# Altium PCB PCBV2.PcbDoc (part 1 of 2)
Units mm, origin at the board's own origin, x right, y up, seen from the top; angles counter-clockwise.
Board outline 46.9 x 40.12 mm, 4 copper layers (Top Layer, GND, GND_2, Bottom Layer), stack 1.556 mm thick; 71 components, 71 nets, 293 pads, 434 vias.
Unrouted connection lines stored in the file: 14.
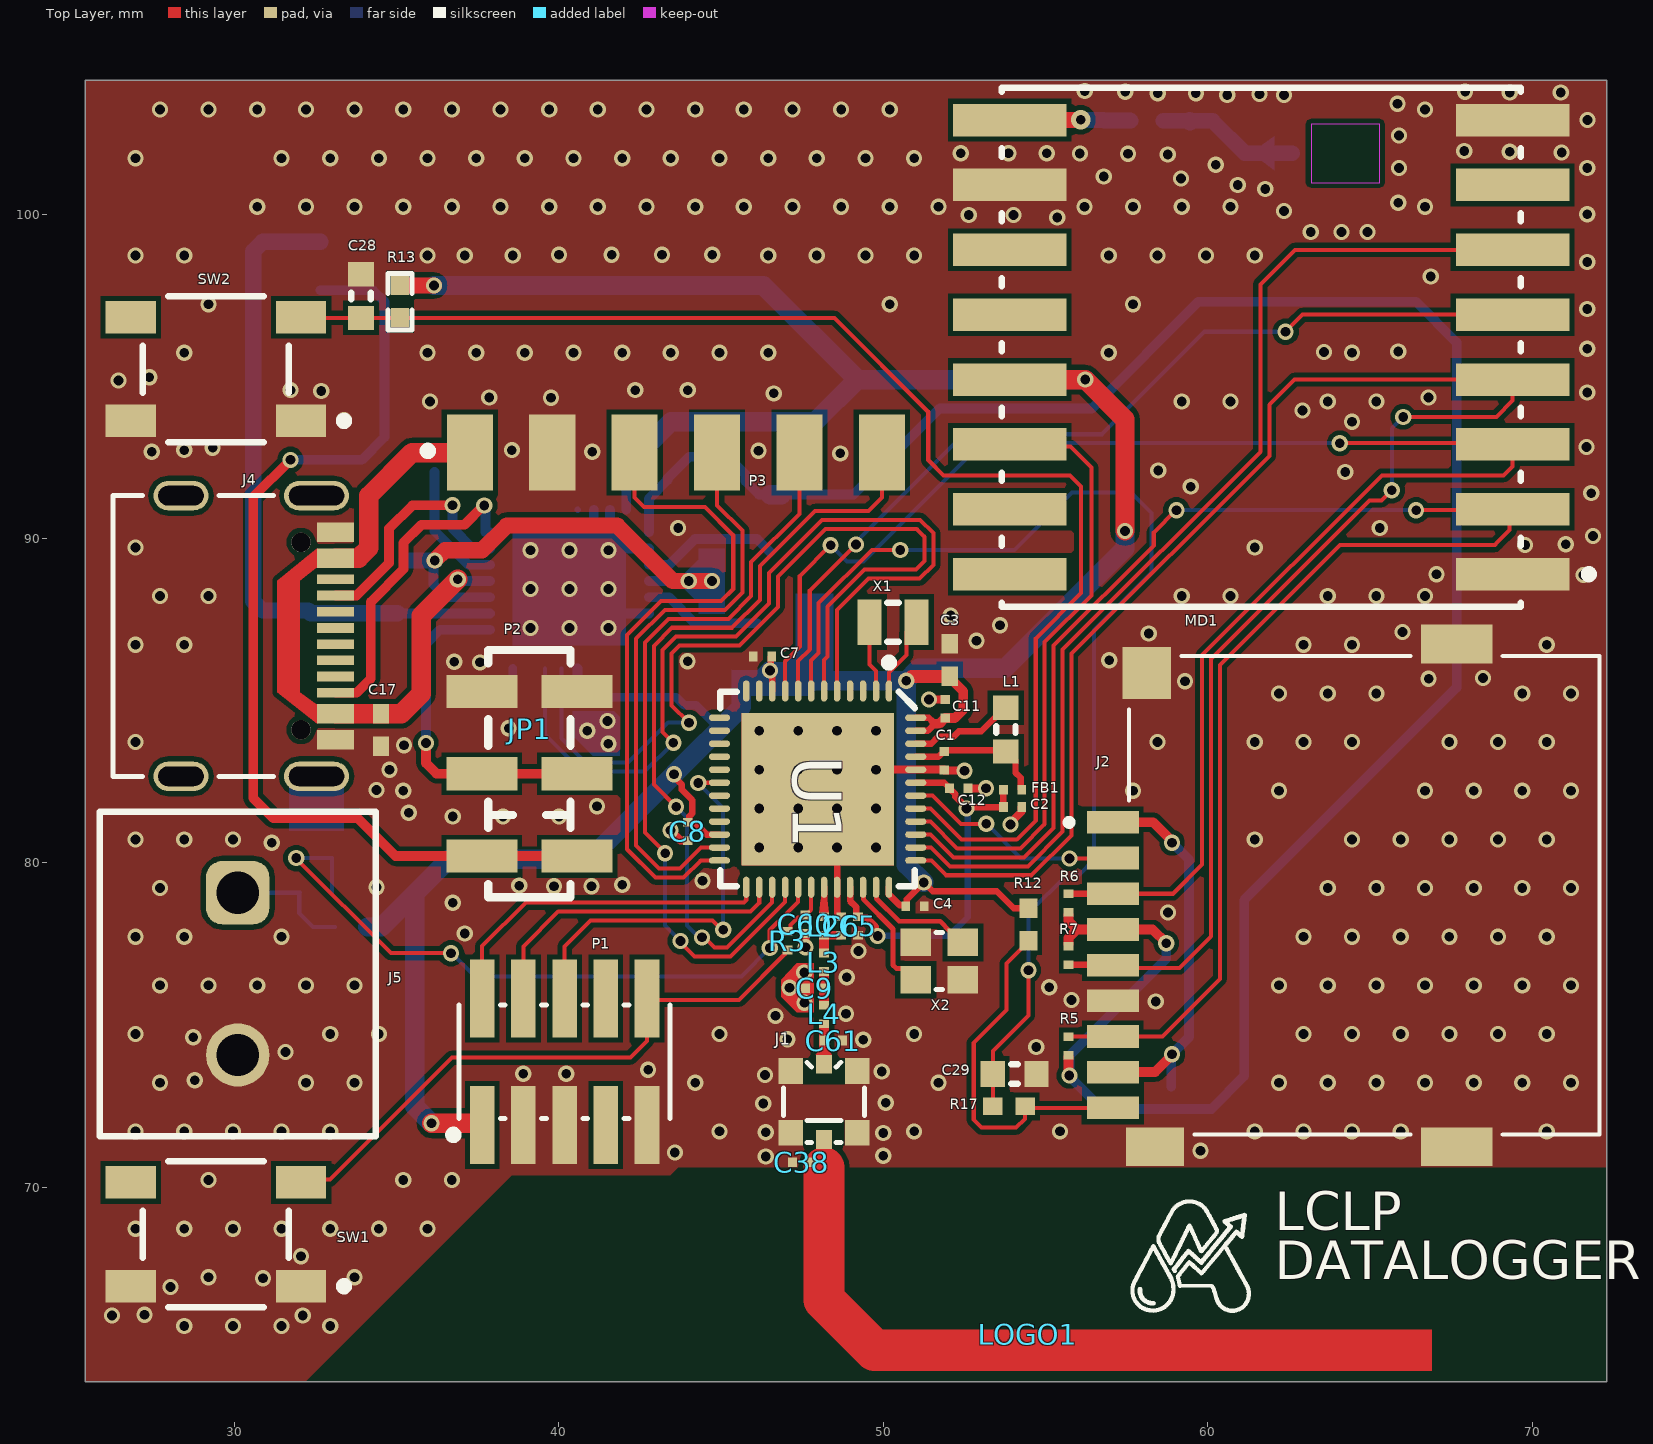
[diagram p0: Top Layer view]
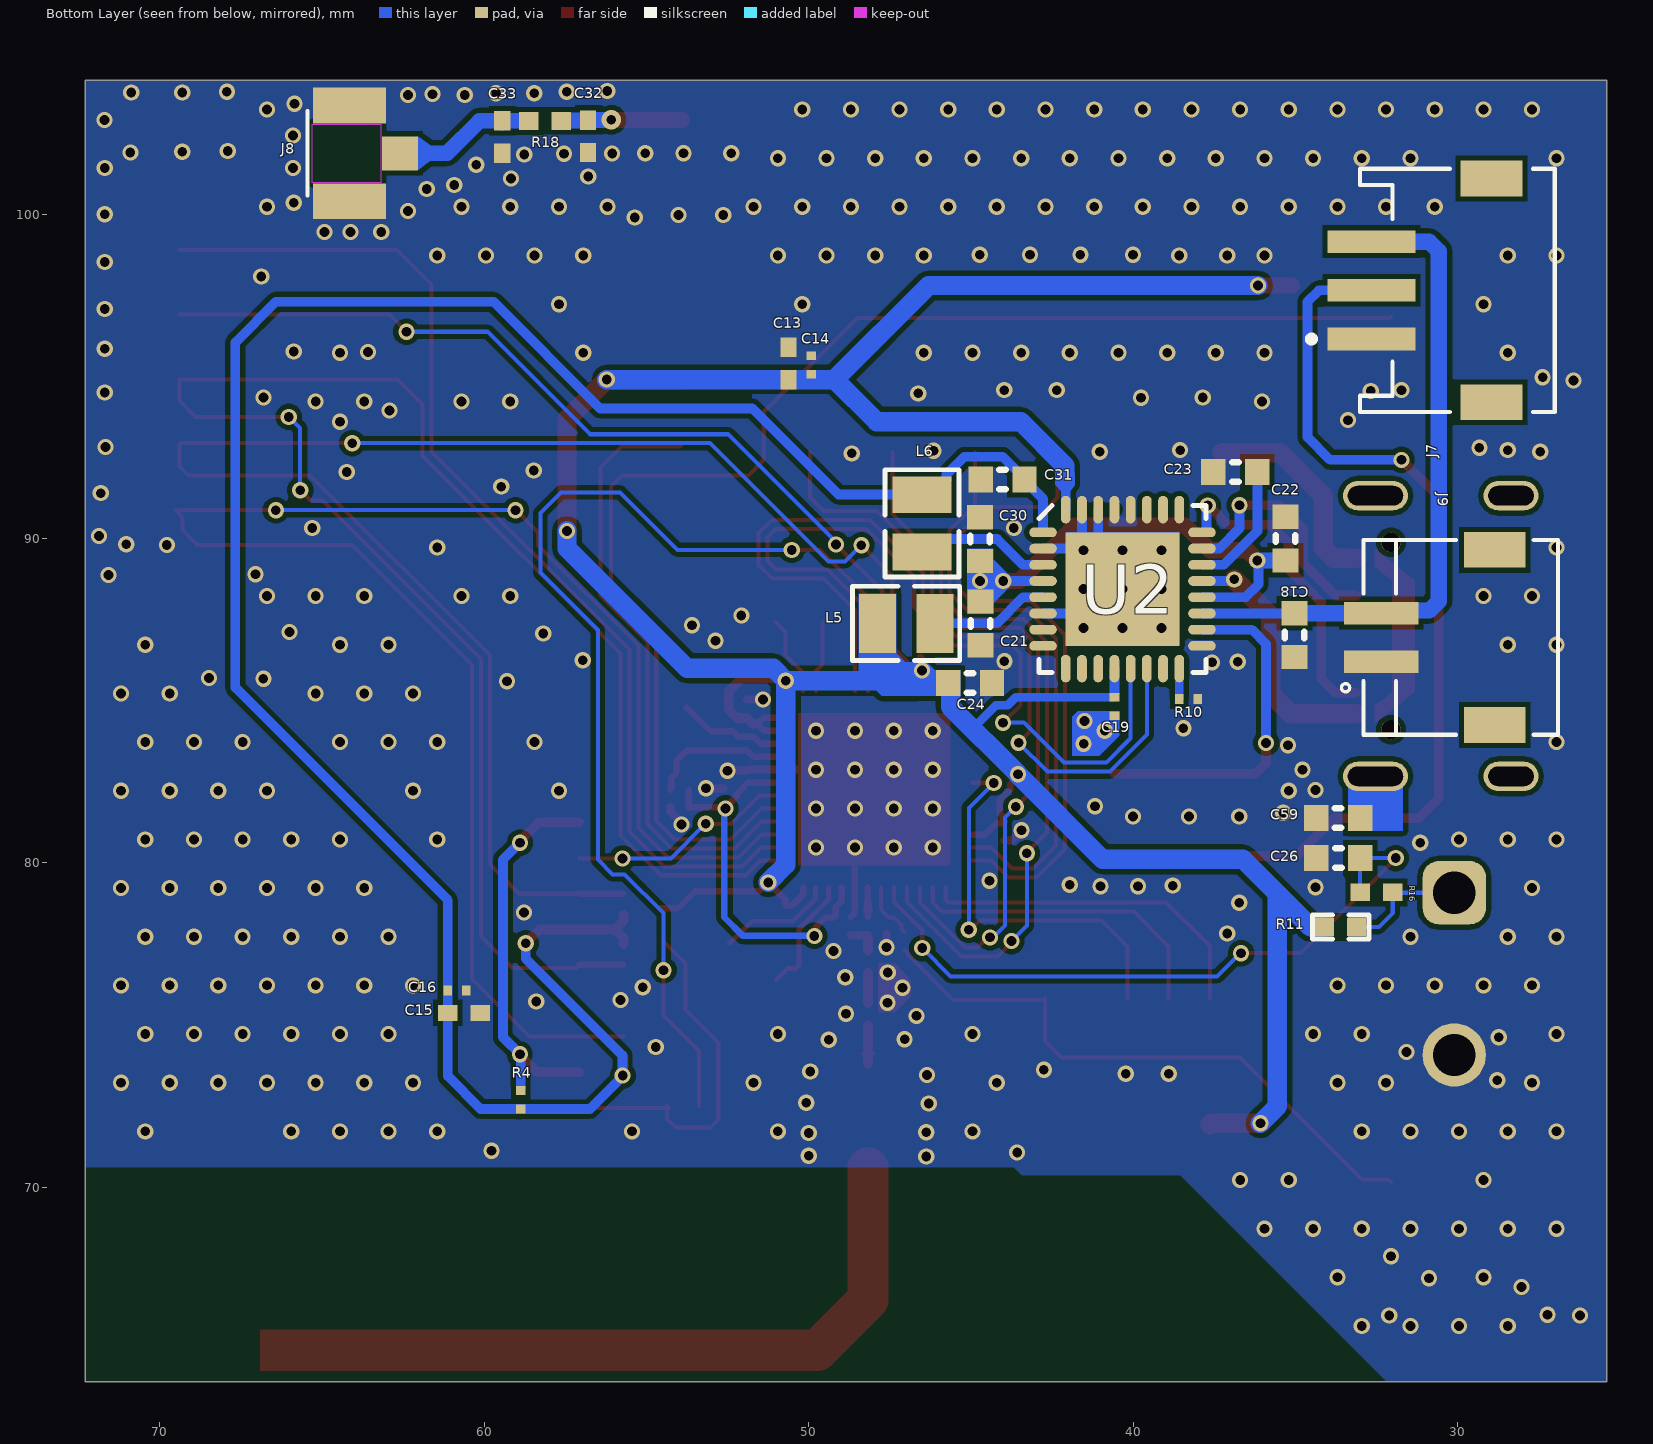
[diagram p1: Bottom Layer view, seen from below]
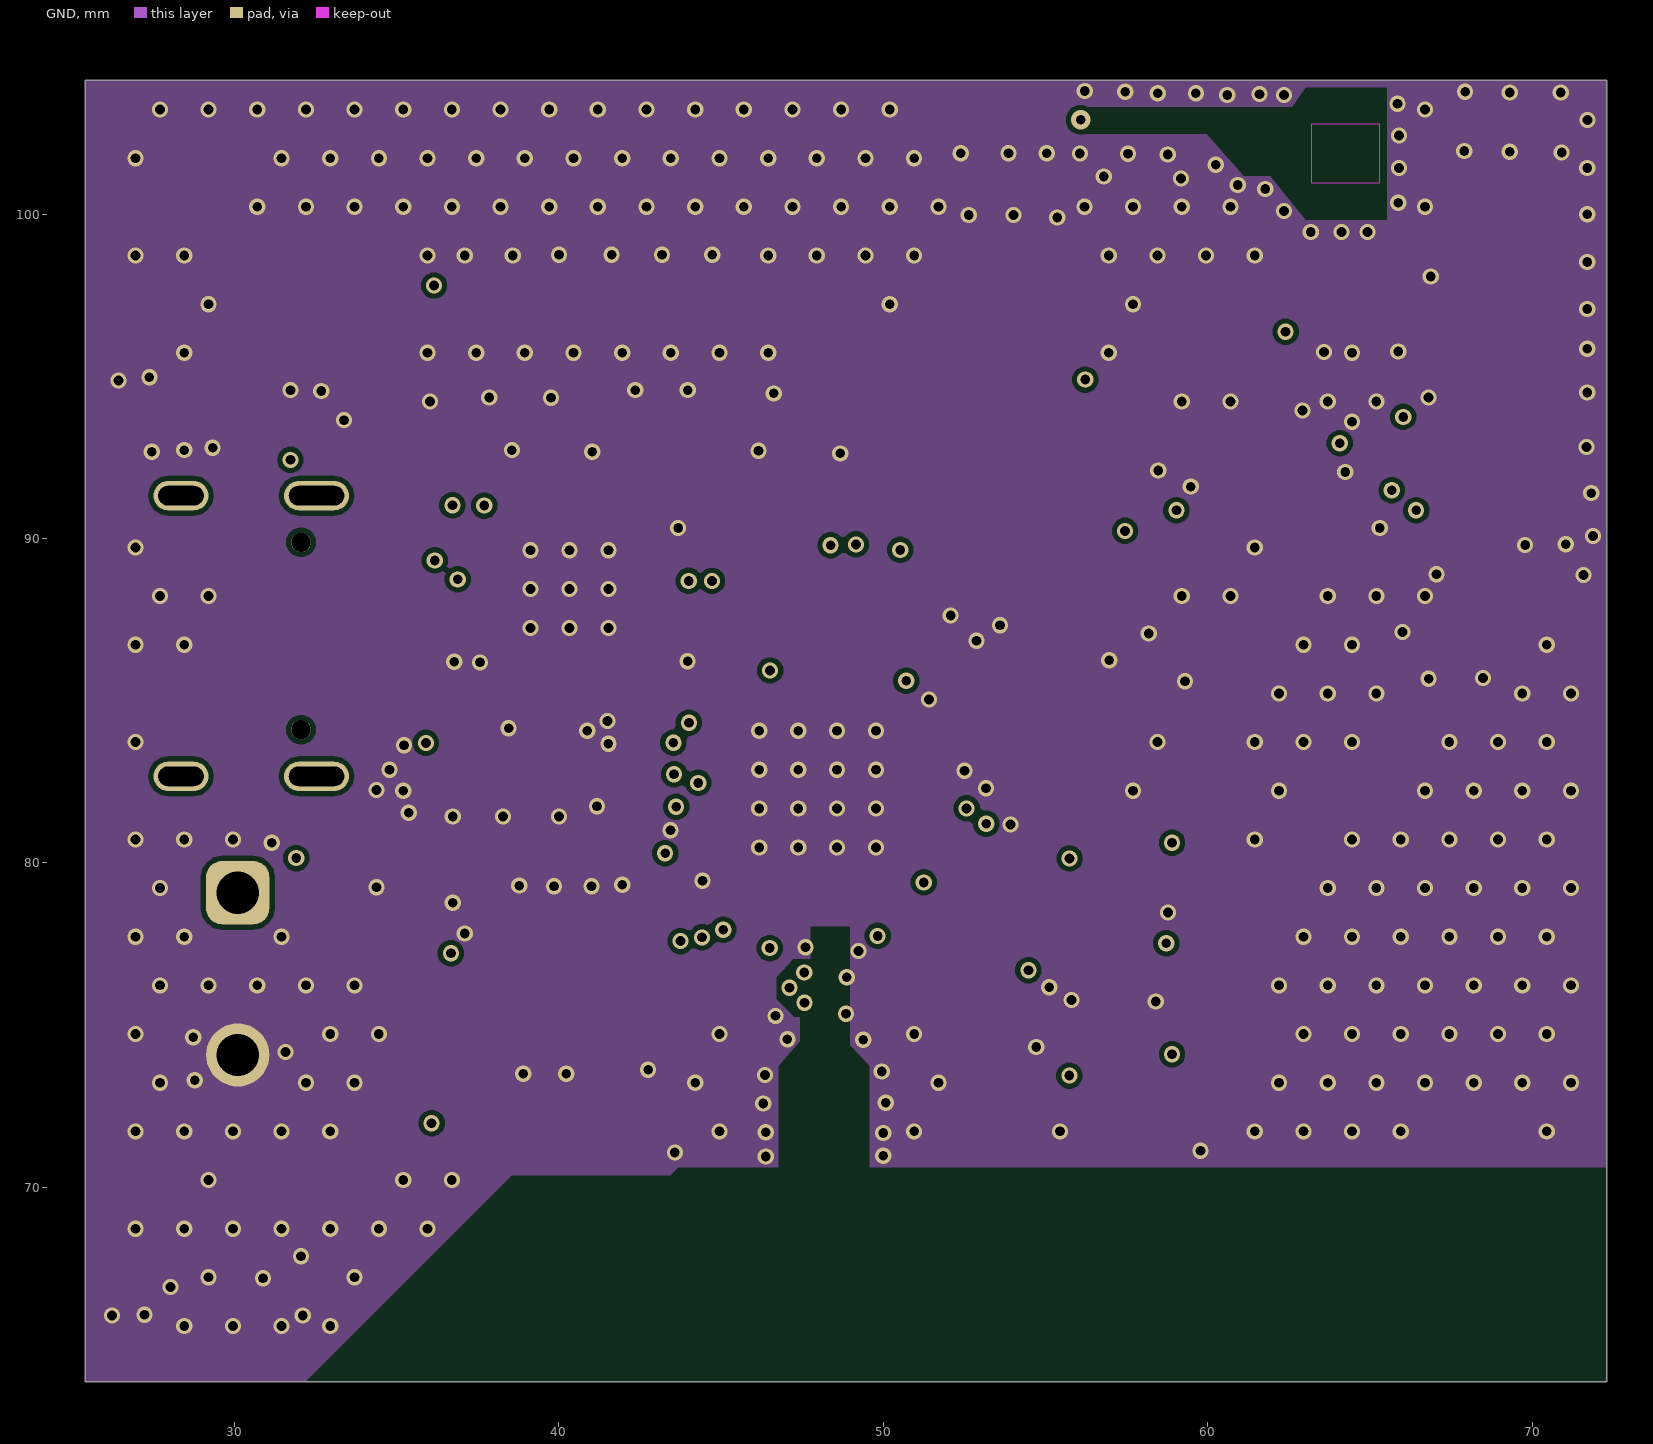
[diagram p2: GND]
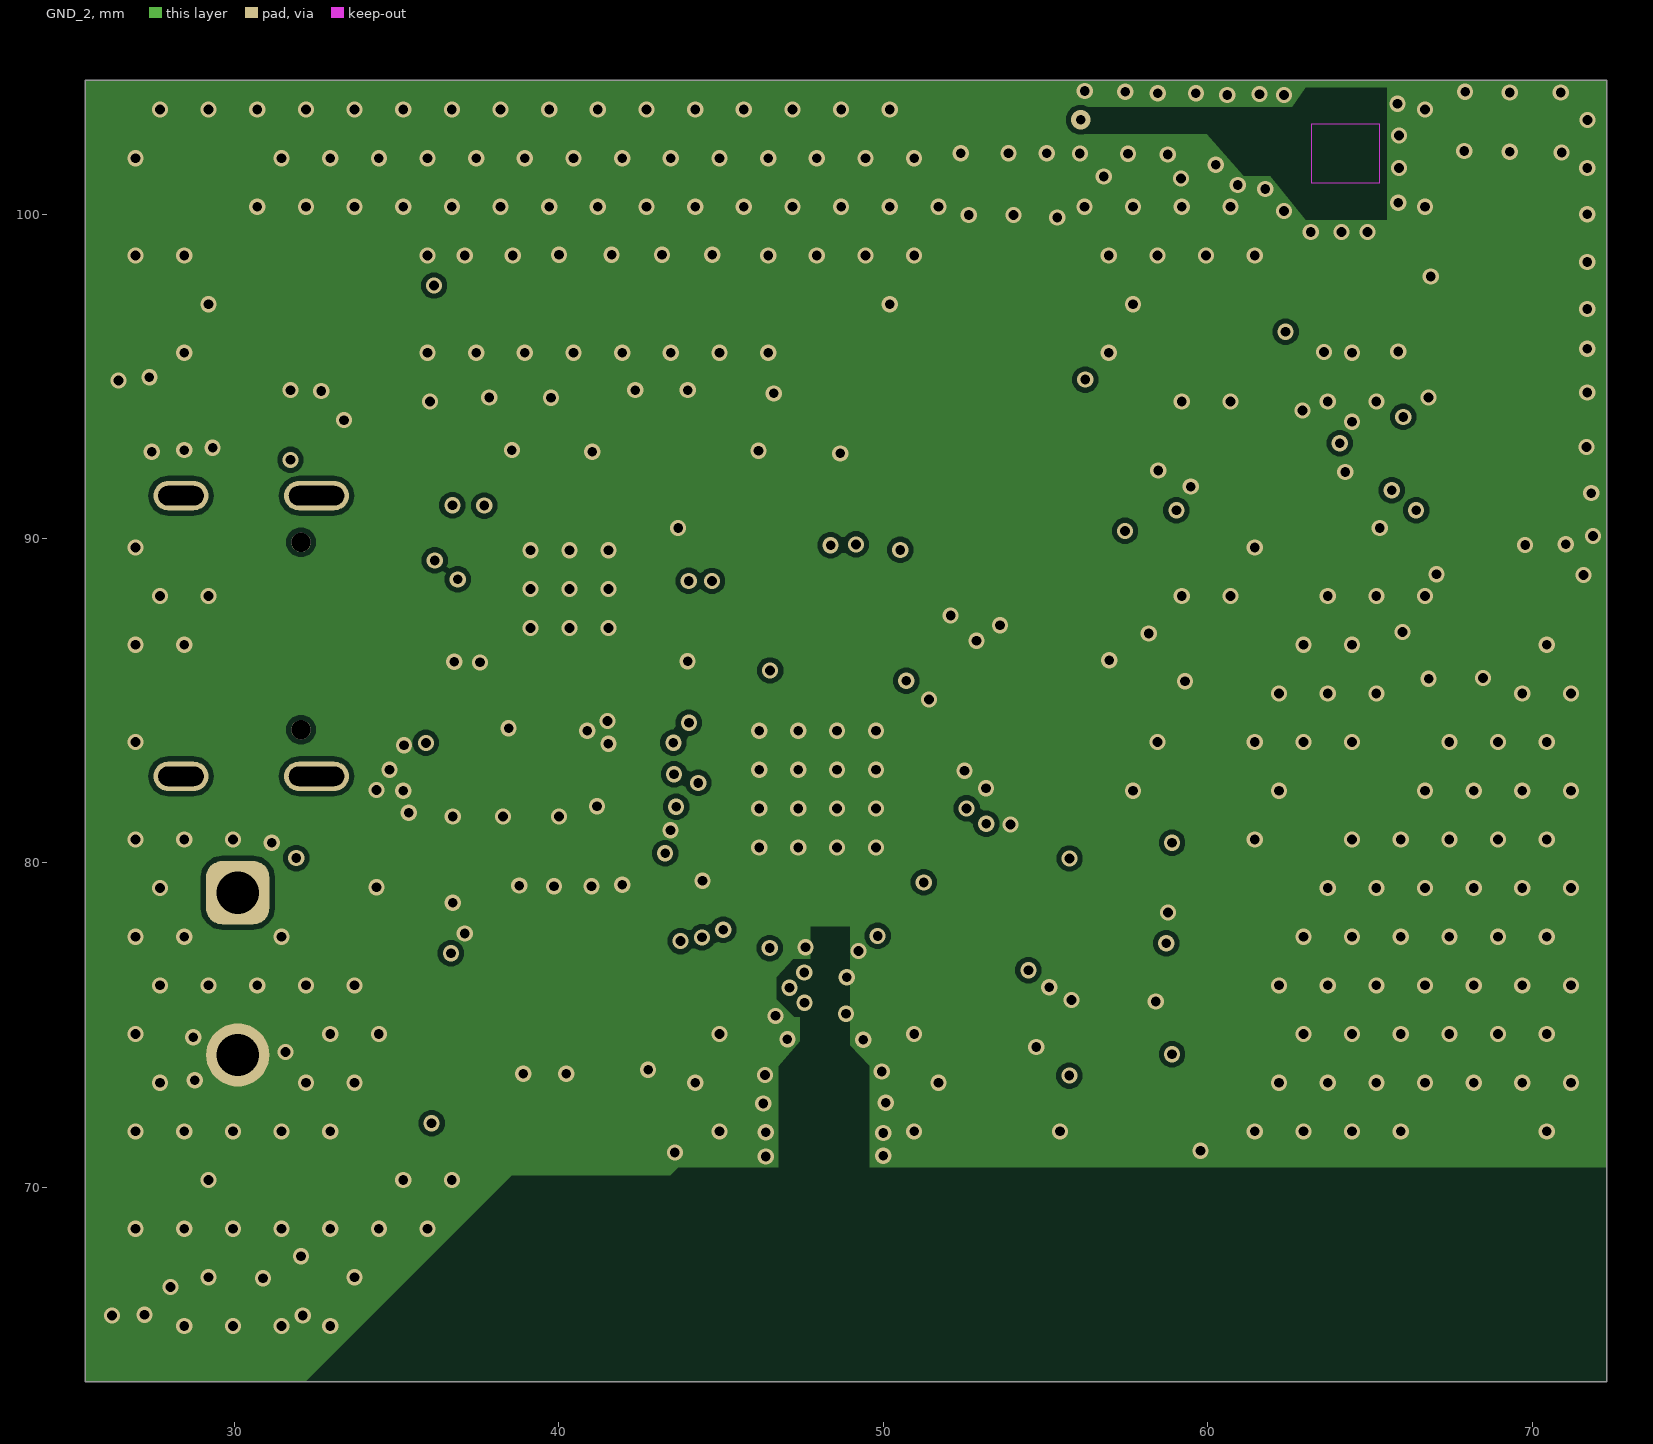
[diagram p3: GND_2]
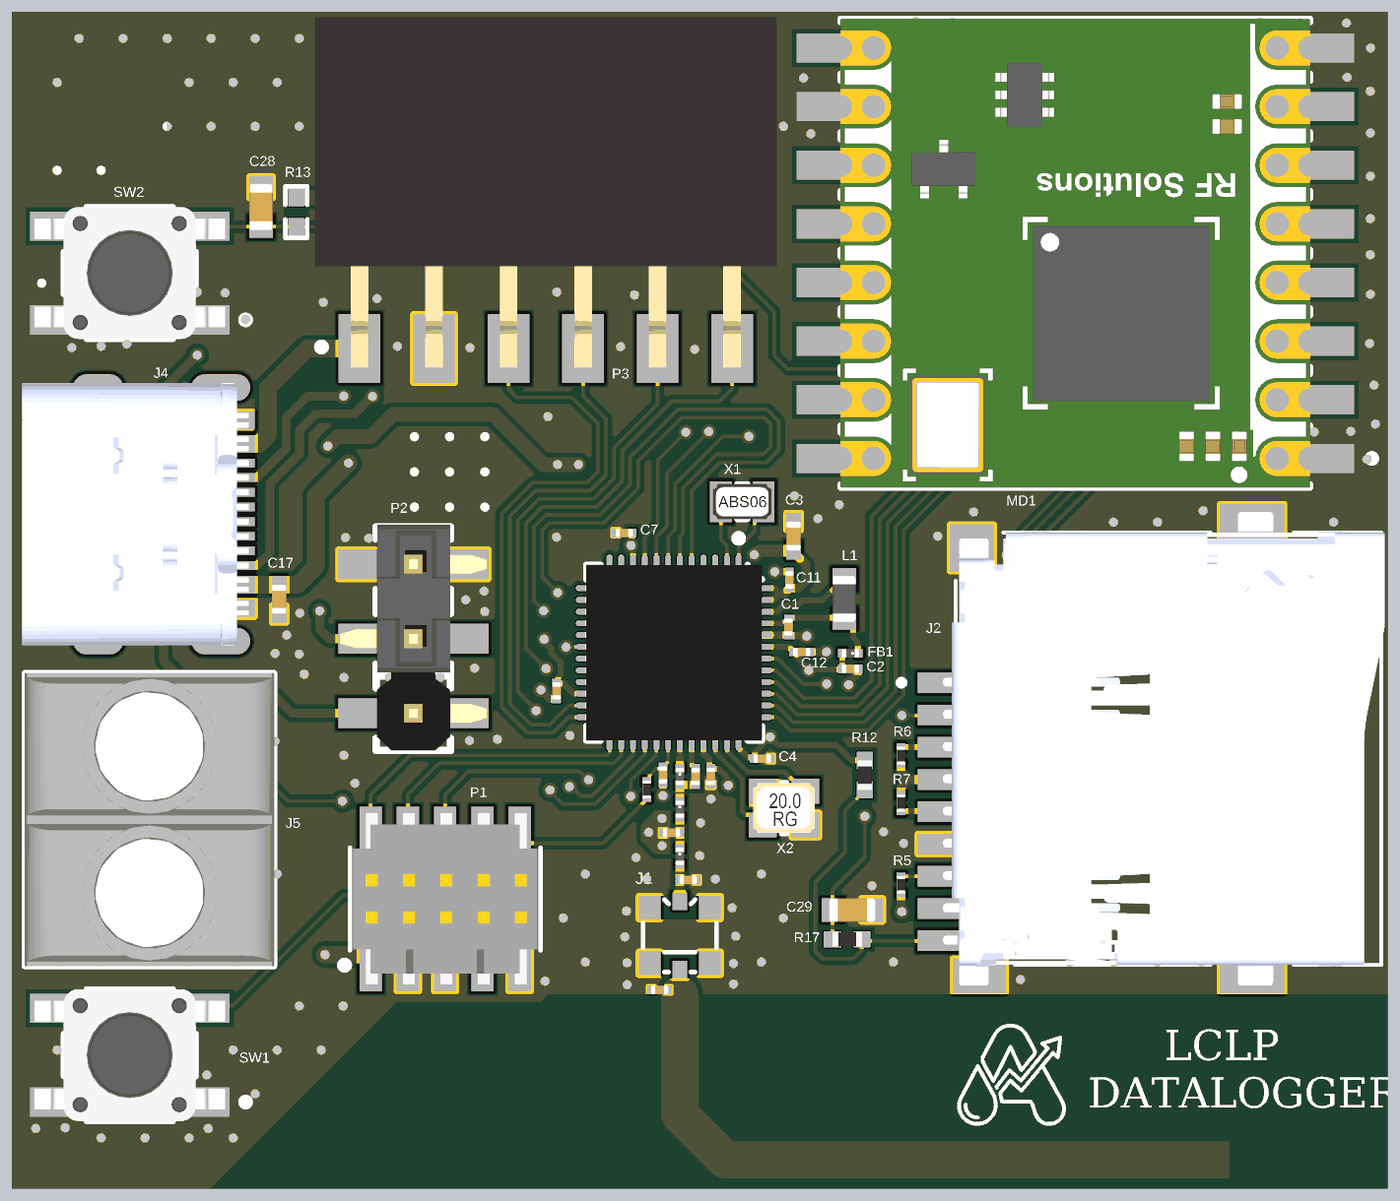
[diagram p5: 3D render of the assembled board from above, using the file's embedded part models]